# Altium PCB PCB1.PcbDoc (part 3 of 6)
Units mil, origin at the board's own origin, x right, y up, seen from the top; angles counter-clockwise.
Board outline 3937.01 x 3937.01 mil, 4 copper layers (Top Layer, GND, PWR, Bottom Layer), stack 72.967 mil thick; 11 components, 206 nets, 668 pads, 258 vias.
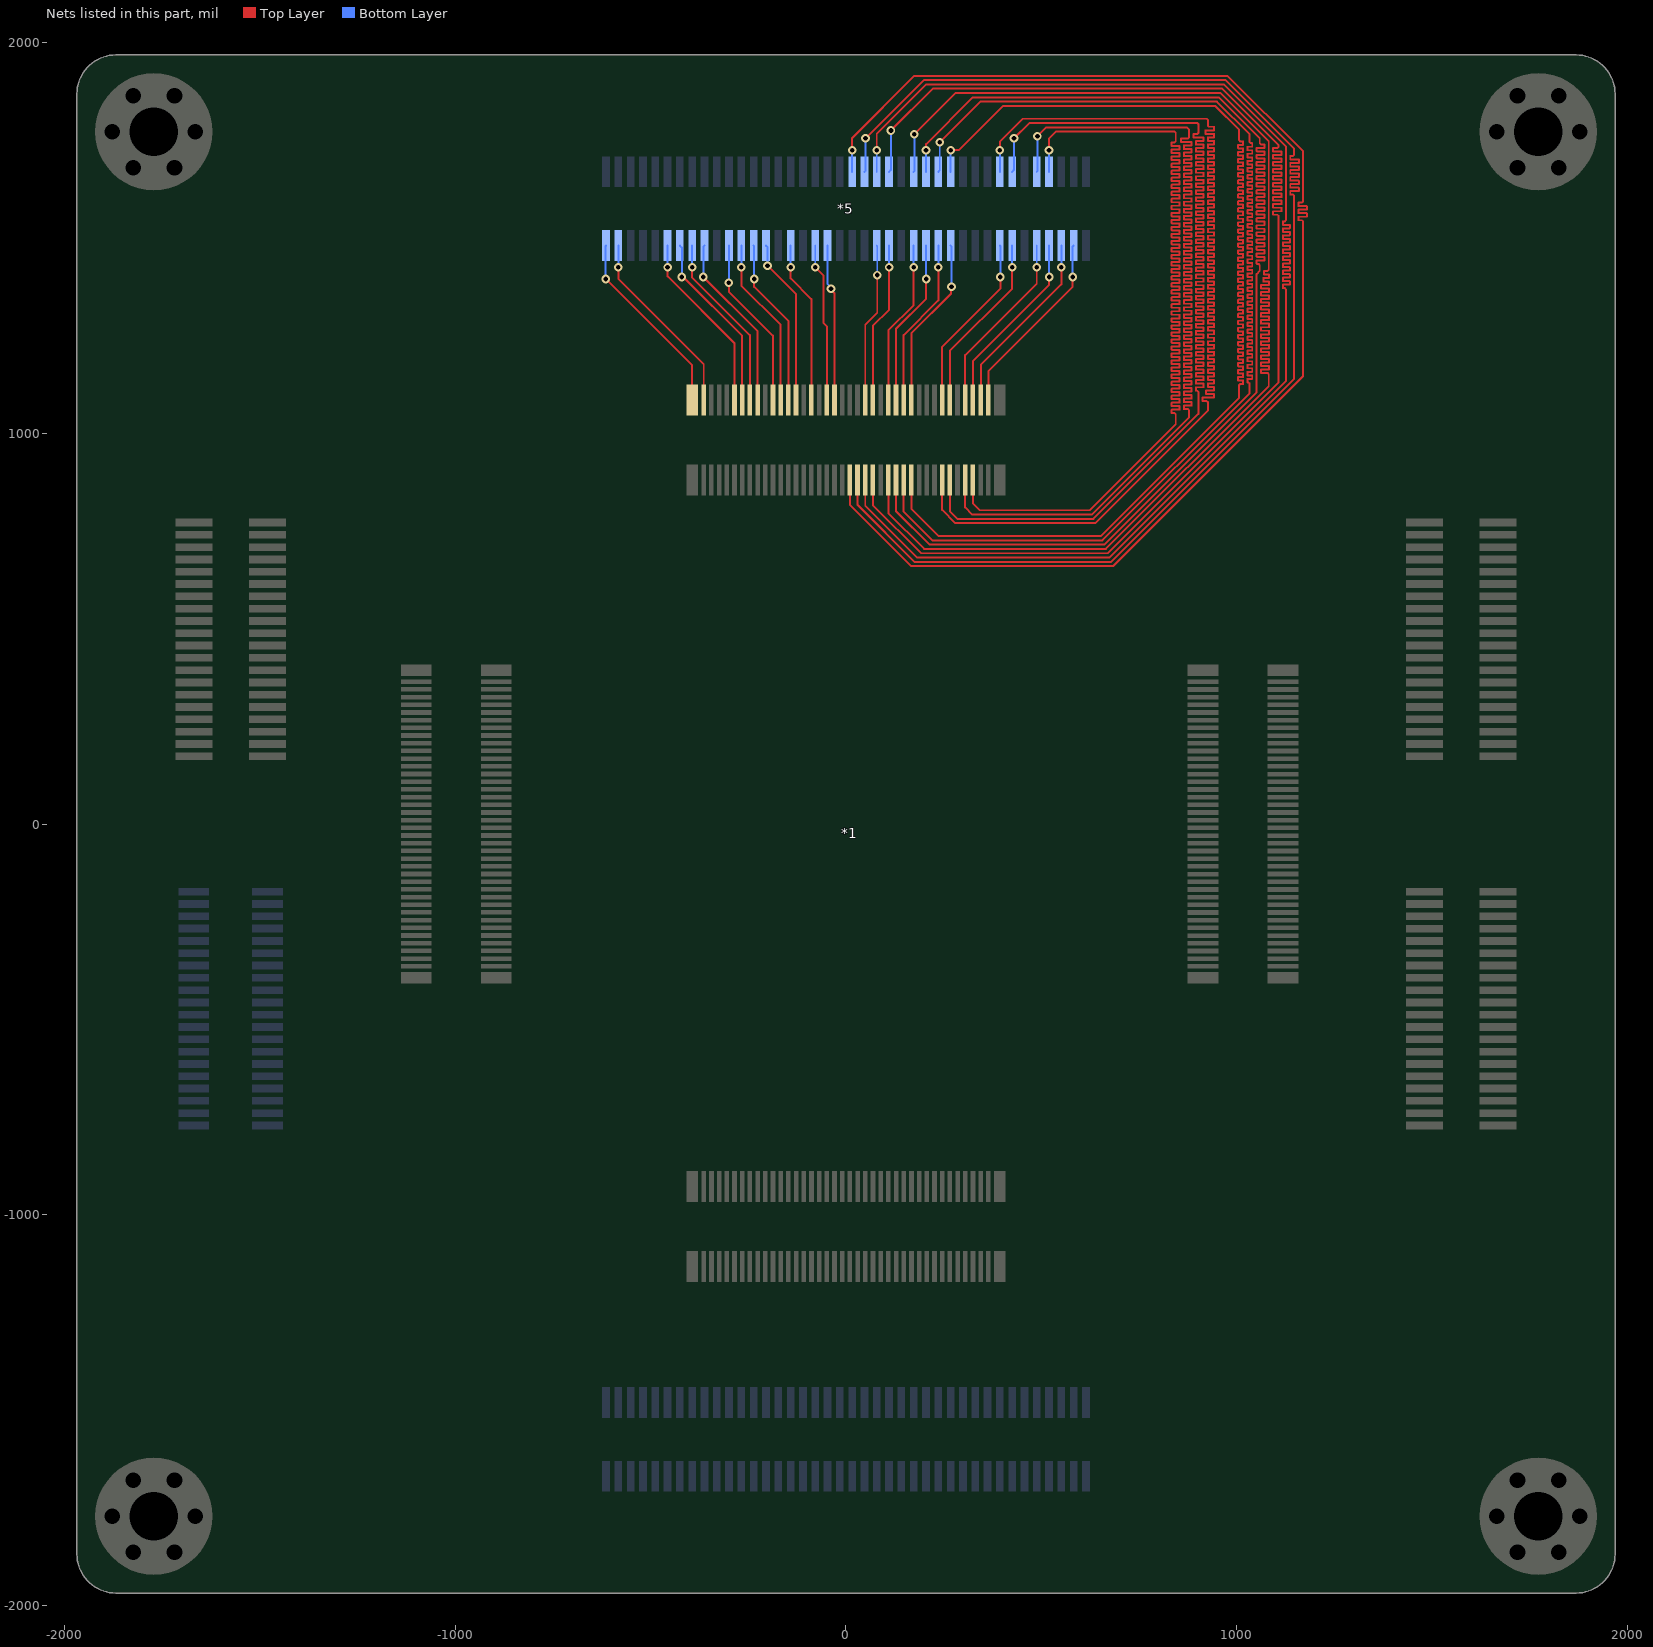
[diagram p5: the nets of this part, all layers, seen from the top]

## Via types
v1: diameter 22, hole 12, Top Layer to Bottom Layer, 254 vias
v2: diameter 24, hole 12, Top Layer to Bottom Layer, 4 vias

## Nets (pads, with @x,y where several pads share a name; then routed paths per layer and width w, separated by ;. In a path a pad name is that pad's centre, name@x,y a point inside that pad or via, vN(x,y) a via of type N, cw(c..) or ccw(c..) an arc to the next point about the centre after c; other vN are vias at no path point) (continued)
B14_L5_N: *1.131 *5.51 | length 3559.8
  Top Layer w5: *1.131@108.29,868.49 108.29,795.71 200,704 665.12,704 1082,1120.88 1082,1149 1082,1151.5 1079.07,1154.43 1062.25,1154.43 1061.8,1154.88 1061.8,1162.98 1062.25,1163.43 1082.24,1163.43 1082.69,1163.88 1082.69,1171.98 1082.24,1172.43 1062.25,1172.43 1061.8,1172.88 1061.8,1180.98 1062.25,1181.43 1082.24,1181.43 1082.69,1181.88 1082.69,1189.98 1082.24,1190.43 1062.25,1190.43 1061.8,1190.88 1061.8,1198.98 1062.25,1199.43 1082.24,1199.43 1082.69,1199.88 1082.69,1207.98 1082.24,1208.43 1062.25,1208.43 1061.8,1208.88 1061.8,1216.98 1062.25,1217.43 1082.24,1217.43 1082.69,1217.88 1082.69,1225.98 1082.24,1226.43 1062.25,1226.43 1061.8,1226.88 1061.8,1234.98 1062.25,1235.43 1082.24,1235.43 1082.69,1235.88 1082.69,1243.98 1082.24,1244.43 1062.25,1244.43 1061.8,1244.88 1061.8,1252.98 1062.25,1253.43 1082.24,1253.43 1082.69,1253.88 1082.69,1261.98 1082.24,1262.43 1062.25,1262.43 1061.8,1262.88 1061.8,1270.98 1062.25,1271.43 1082.24,1271.43 1082.69,1271.88 1082.69,1279.98 1082.24,1280.43 1062.25,1280.43 1061.8,1280.88 1061.8,1288.98 1062.25,1289.43 1082.24,1289.43 1082.69,1289.88 1082.69,1297.98 1082.24,1298.43 1062.25,1298.43 1061.8,1298.88 1061.8,1306.98 1062.25,1307.43 1082.24,1307.43 1082.69,1307.88 1082.69,1315.98 1082.24,1316.43 1062.25,1316.43 1061.8,1316.88 1061.8,1324.98 1062.25,1325.43 1082.24,1325.43 1082.69,1325.88 1082.69,1333.98 1082.24,1334.43 1062.25,1334.43 1061.8,1334.88 1061.8,1342.98 1062.25,1343.43 1082.24,1343.43 1082.69,1343.88 1082.69,1351.98 1082.24,1352.43 1062.25,1352.43 1061.8,1352.88 1061.8,1360.98 1062.25,1361.43 1082.24,1361.43 1082.69,1361.88 1082.69,1369.98 1082.24,1370.43 1062.25,1370.43 1061.8,1370.88 1061.8,1378.98 1062.25,1379.43 1082.24,1379.43 1082.69,1379.88 1082.69,1387.98 1082.24,1388.43 1068.47,1388.43 1068.02,1388.88 1068.02,1396.98 1068.47,1397.43 1082.24,1397.43 1082.69,1397.88 1082.69,1405.98 1082.24,1406.43 1070.45,1406.43 1070,1406.88 1070,1414.98 1070.45,1415.43 1079.07,1415.43 1082,1418.36 1082,1434 1082,1747.12 958.12,1871 281,1871 v1(175,1765)
  Bottom Layer w5: *5.51@173.23,1669.29 175,1671.06 v1(175,1765)
B14_L5_P: *1.133 *5.53 | length 3528.4
  Top Layer w5: *1.133@127.98,872.85 127.98,801.02 214,715 660.56,715 1050.8,1105.24 1050.8,1407.43 1059,1415.63 1059,1428.07 1059,1430.57 1056.07,1433.5 1051.25,1433.5 1050.8,1433.95 1050.8,1442.05 1051.25,1442.5 1070.55,1442.5 1071,1442.95 1071,1451.05 1070.55,1451.5 1051.25,1451.5 1050.8,1451.95 1050.8,1460.05 1051.25,1460.5 1070.55,1460.5 1071,1460.95 1071,1469.05 1070.55,1469.5 1051.25,1469.5 1050.8,1469.95 1050.8,1478.05 1051.25,1478.5 1070.55,1478.5 1071,1478.95 1071,1487.05 1070.55,1487.5 1051.25,1487.5 1050.8,1487.95 1050.8,1496.05 1051.25,1496.5 1070.55,1496.5 1071,1496.95 1071,1505.05 1070.55,1505.5 1051.25,1505.5 1050.8,1505.95 1050.8,1514.05 1051.25,1514.5 1070.55,1514.5 1071,1514.95 1071,1523.05 1070.55,1523.5 1051.25,1523.5 1050.8,1523.95 1050.8,1532.05 1051.25,1532.5 1070.55,1532.5 1071,1532.95 1071,1541.05 1070.55,1541.5 1051.25,1541.5 1050.8,1541.95 1050.8,1550.05 1051.25,1550.5 1070.55,1550.5 1071,1550.95 1071,1559.05 1070.55,1559.5 1051.25,1559.5 1050.8,1559.95 1050.8,1568.05 1051.25,1568.5 1070.55,1568.5 1071,1568.95 1071,1577.05 1070.55,1577.5 1051.25,1577.5 1050.8,1577.95 1050.8,1586.05 1051.25,1586.5 1070.55,1586.5 1071,1586.95 1071,1595.05 1070.55,1595.5 1051.25,1595.5 1050.8,1595.95 1050.8,1604.05 1051.25,1604.5 1070.55,1604.5 1071,1604.95 1071,1613.05 1070.55,1613.5 1051.25,1613.5 1050.8,1613.95 1050.8,1622.05 1051.25,1622.5 1070.55,1622.5 1071,1622.95 1071,1631.05 1070.55,1631.5 1051.25,1631.5 1050.8,1631.95 1050.8,1640.05 1051.25,1640.5 1070.55,1640.5 1071,1640.95 1071,1649.05 1070.55,1649.5 1051.25,1649.5 1050.8,1649.95 1050.8,1658.05 1051.25,1658.5 1070.55,1658.5 1071,1658.95 1071,1667.05 1070.55,1667.5 1051.25,1667.5 1050.8,1667.95 1050.8,1676.05 1051.25,1676.5 1070.55,1676.5 1071,1676.95 1071,1685.05 1070.55,1685.5 1051.25,1685.5 1050.8,1685.95 1050.8,1694.05 1051.25,1694.5 1070.55,1694.5 1071,1694.95 1071,1703.05 1070.55,1703.5 1051.25,1703.5 1050.8,1703.95 1050.8,1712.05 1051.25,1712.5 1070.55,1712.5 1071,1712.95 1071,1721.05 1070.55,1721.5 1051.25,1721.5 1050.8,1721.95 1050.8,1730.05 1051.25,1730.5 1070.55,1730.5 1071,1730.95 1071,1739.05 1070.55,1739.5 1061.93,1739.5 1059,1742.43 1059,1746 1059,1754.56 953.56,1860 325,1860 205.23,1740.23 205.23,1725.17 v1(204.72,1724.66)
  Bottom Layer w5: *5.53@204.72,1669.29 v1(204.72,1724.66)
B14_L6_N: *1.112 *5.32 | length 416.8
  Top Layer w5: v1(-141.73,1424.95) -141.73,1396.73 -88.56,1343.56 *1.112@-88.56,1085.5
  Bottom Layer w5: v1(-141.73,1424.95) *5.32@-141.73,1480.32
B14_L7_N: *1.116 *5.36 | length 407
  Top Layer w5: v1(-78.74,1424.95) -57.87,1404.08 -57.87,1282.41 -49.19,1273.73 *1.116@-49.19,1085.5
  Bottom Layer w5: v1(-78.74,1424.95) *5.36@-78.74,1480.32
B14_L7_P: *1.118 *5.38 | length 402.2
  Top Layer w5: v1(-38.37,1370) -38.37,1367.44 -29.5,1358.57 *1.118@-29.5,1085.5
  Bottom Layer w5: *5.38@-47.24,1480.32 -47.24,1381.84 -38.37,1372.97 v1(-38.37,1370)
B14_L8_N: *1.96 *5.16 | length 456
  Top Layer w5: v1(-393.7,1424.95) -393.7,1398.7 -246.03,1251.03 *1.96@-246.03,1085.5
  Bottom Layer w5: v1(-393.7,1424.95) *5.16@-393.7,1480.32
B14_L8_P: *1.98 *5.18 | length 453.4
  Top Layer w5: v1(-365,1400) -226.35,1261.35 *1.98@-226.35,1085.5
  Bottom Layer w5: v1(-365,1400) -365,1477.52 *5.18@-362.21,1480.32
B14_L9_N: *1.128 *5.48 | length 446.3
  Top Layer w5: *1.128@68.92,1051.14 68.92,1275.15 110.24,1316.47 v1(110.24,1424.95)
  Bottom Layer w5: v1(110.24,1424.95) *5.48@110.24,1480.32
B14_L9_P: *1.126 *5.46 | length 417.7
  Top Layer w5: *1.126@49.23,1075.9 49.23,1278.23 80,1309 v1(80,1405)
  Bottom Layer w5: *5.46@78.74,1480.32 80,1479.06 v1(80,1405)
B14_L10_N: *1.94 *5.14 | length 463.1
  Top Layer w5: v1(-420,1400) -416.19,1400 -265.71,1249.52 *1.94@-265.71,1085.5
  Bottom Layer w5: *5.14@-425.2,1480.32 -420,1475.12 v1(-420,1400)
B14_L10_P: *1.92 *5.12 | length 465.8
  Top Layer w5: v1(-456.69,1424.95) -456.69,1401.69 -285.4,1230.4 *1.92@-285.4,1085.5
  Bottom Layer w5: v1(-456.69,1424.95) *5.12@-456.69,1480.32
B14_L11_N: *1.121 *5.41 | length 3556.4
  Top Layer w5: *1.121@9.87,880.78 9.87,817.13 167,660 683.34,660 1170,1146.66 1170,1539.84 1170,1542.34 1167.07,1545.27 1158.45,1545.27 1158,1545.72 1158,1553.82 1158.45,1554.27 1179.17,1554.27 1179.62,1554.72 1179.62,1562.82 1179.17,1563.27 1158.45,1563.27 1158,1563.72 1158,1571.82 1158.45,1572.27 1179.17,1572.27 1179.62,1572.72 1179.62,1580.82 1179.17,1581.27 1158.45,1581.27 1158,1581.72 1158,1589.82 1158.45,1590.27 1167.07,1590.27 1170,1593.2 1170,1599 1170,1721.34 976.34,1915 175,1915 15.75,1755.75 v1(15.75,1724.66)
  Bottom Layer w5: *5.41@15.75,1669.29 v1(15.75,1724.66)
B14_L11_P: *1.123 *5.43 | length 3574.5
  Top Layer w5: *1.123@29.55,880.78 29.55,816.45 175,671 678.79,671 1147,1139.21 1147,1605.4 1147,1607.9 1144.07,1610.82 1137.45,1610.82 1137,1611.27 1137,1619.37 1137.45,1619.82 1158.55,1619.82 1159,1620.27 1159,1628.37 1158.55,1628.82 1137.45,1628.82 1137,1629.27 1137,1637.37 1137.45,1637.82 1158.55,1637.82 1159,1638.27 1159,1646.37 1158.55,1646.82 1137.45,1646.82 1137,1647.27 1137,1655.37 1137.45,1655.82 1158.55,1655.82 1159,1656.27 1159,1664.37 1158.55,1664.82 1137.45,1664.82 1137,1665.27 1137,1673.37 1137.45,1673.82 1158.55,1673.82 1159,1674.27 1159,1682.37 1158.55,1682.82 1137.45,1682.82 1137,1683.27 1137,1691.37 1137.45,1691.82 1158.55,1691.82 1159,1692.27 1159,1700.37 1158.55,1700.82 1137.45,1700.82 1137,1701.27 1137,1709.37 1137.45,1709.82 1144.07,1709.82 1147,1712.75 1147,1720 1147,1728.79 1129,1746.79 971.79,1904 199,1904 v1(50,1755)
  Bottom Layer w5: *5.43@47.24,1669.29 50,1672.05 v1(50,1755)
B14_L12_N: *1.132 *5.52 | length 432
  Top Layer w5: *1.132@108.29,1075.23 108.29,1263.33 173.23,1328.28 v1(173.23,1424.95)
  Bottom Layer w5: v1(173.23,1424.95) *5.52@173.23,1480.32
B14_L12_P: *1.134 *5.54 | length 439
  Top Layer w5: *1.134@127.97,1073.34 127.97,1267.46 205,1344.49 v1(205,1395)
  Bottom Layer w5: *5.54@204.72,1480.32 205,1480.04 v1(205,1395)
B14_L13_N: *1.136 *5.56 | length 445.2
  Top Layer w5: *1.136@147.66,1071.83 147.66,1251.52 236.22,1340.09 v1(236.22,1424.95)
  Bottom Layer w5: v1(236.22,1424.95) *5.56@236.22,1480.32
B14_L13_P: *1.138 *5.58 | length 455
  Top Layer w5: *1.138@167.35,1068.74 167.35,1255.66 268.19,1356.5 268.19,1373.19 v1(270,1375)
  Bottom Layer w5: *5.58@267.72,1480.32 270,1478.03 v1(270,1375)
B14_L14_N: *1.125 *5.45 | length 3566.5
  Top Layer w5: *1.125@49.23,872.86 49.23,814.77 182,682 674.23,682 1126,1133.77 1126,1366 1126,1368.5 1123.07,1371.43 1118.45,1371.43 1118,1371.88 1118,1379.98 1118.45,1380.43 1135.55,1380.43 1136,1380.88 1136,1388.98 1135.55,1389.43 1118.45,1389.43 1118,1389.88 1118,1397.98 1118.45,1398.43 1135.55,1398.43 1136,1398.88 1136,1406.98 1135.55,1407.43 1118.45,1407.43 1118,1407.88 1118,1415.98 1118.45,1416.43 1135.55,1416.43 1136,1416.88 1136,1424.98 1135.55,1425.43 1118.45,1425.43 1118,1425.88 1118,1433.98 1118.45,1434.43 1135.55,1434.43 1136,1434.88 1136,1442.98 1135.55,1443.43 1118.45,1443.43 1118,1443.88 1118,1451.98 1118.45,1452.43 1135.55,1452.43 1136,1452.88 1136,1460.98 1135.55,1461.43 1118.45,1461.43 1118,1461.88 1118,1469.98 1118.45,1470.43 1135.55,1470.43 1136,1470.88 1136,1478.98 1135.55,1479.43 1118.45,1479.43 1118,1479.88 1118,1487.98 1118.45,1488.43 1135.55,1488.43 1136,1488.88 1136,1496.98 1135.55,1497.43 1118.45,1497.43 1118,1497.88 1118,1505.98 1118.45,1506.43 1135.55,1506.43 1136,1506.88 1136,1514.98 1135.55,1515.43 1118.45,1515.43 1118,1515.88 1118,1523.98 1118.45,1524.43 1135.55,1524.43 1136,1524.88 1136,1532.98 1135.55,1533.43 1118.45,1533.43 1118,1533.88 1118,1541.98 1118.45,1542.43 1123.07,1542.43 1126,1545.36 1126,1553 1126,1734.23 1104,1756.23 1060,1800.23 967.23,1893 760.34,1893 205.42,1893 78.74,1766.32 v1(78.74,1724.66)
  Bottom Layer w5: *5.45@78.74,1669.29 v1(78.74,1724.66)
B14_L14_P: *1.127 *5.47 | length 3548.7
  Top Layer w5: *1.127@68.92,872.85 68.92,816.08 192,693 669.68,693 1107,1130.32 1107,1553.86 1107,1556.36 1104.07,1559.29 1093.45,1559.29 1093,1559.74 1093,1567.84 1093.45,1568.29 1114.55,1568.29 1115,1568.74 1115,1576.84 1114.55,1577.29 1093.45,1577.29 1093,1577.74 1093,1585.84 1093.45,1586.29 1114.55,1586.29 1115,1586.74 1115,1594.84 1114.55,1595.29 1093.45,1595.29 1093,1595.74 1093,1603.84 1093.45,1604.29 1114.55,1604.29 1115,1604.74 1115,1612.84 1114.55,1613.29 1093.45,1613.29 1093,1613.74 1093,1621.84 1093.45,1622.29 1114.55,1622.29 1115,1622.74 1115,1630.84 1114.55,1631.29 1093.45,1631.29 1093,1631.74 1093,1639.84 1093.45,1640.29 1114.55,1640.29 1115,1640.74 1115,1648.84 1114.55,1649.29 1093.45,1649.29 1093,1649.74 1093,1657.84 1093.45,1658.29 1114.55,1658.29 1115,1658.74 1115,1666.84 1114.55,1667.29 1093.45,1667.29 1093,1667.74 1093,1675.84 1093.45,1676.29 1114.55,1676.29 1115,1676.74 1115,1684.84 1114.55,1685.29 1093.45,1685.29 1093,1685.74 1093,1693.84 1093.45,1694.29 1114.55,1694.29 1115,1694.74 1115,1702.84 1114.55,1703.29 1093.45,1703.29 1093,1703.74 1093,1711.84 1093.45,1712.29 1114.55,1712.29 1115,1712.74 1115,1720.84 1114.55,1721.29 1093.45,1721.29 1093,1721.74 1093,1729.84 1093.45,1730.29 1104.07,1730.29 1107,1733.22 1107,1737.68 1049,1795.68 962.68,1882 755.78,1882 222,1882 v1(115,1775)
  Bottom Layer w5: *5.47@110.24,1669.29 115,1674.06 v1(115,1775)
B14_L15_N: *1.102 *5.22 | length 442
  Top Layer w5: v1(-300,1385) -300,1362.85 -186.98,1249.83 *1.102@-186.98,1085.5
  Bottom Layer w5: v1(-300,1385) -300,1479.53 *5.22@-299.21,1480.32
B14_L15_P: *1.104 *5.24 | length 436.4
  Top Layer w5: v1(-267.72,1424.95) -267.72,1377.72 -167.29,1277.29 *1.104@-167.29,1085.5
  Bottom Layer w5: v1(-267.72,1424.95) *5.24@-267.72,1480.32
B14_L16_N: *1.84 *5.4 | length 485.3
  Top Layer w5: v1(-582.68,1424.95) -582.68,1395.1 -364.13,1176.56 *1.84@-364.13,1085.5
  Bottom Layer w5: v1(-582.68,1424.95) *5.4@-582.68,1480.32
B14_L16_P: *1.82 *5.2 | length 496.3
  Top Layer w5: v1(-615,1395) -393.67,1173.67 *1.82@-393.67,1076.04
  Bottom Layer w5: v1(-615,1395) -615,1479.49 *5.2@-614.17,1480.32
B14_L17_N: *1.108 *5.28 | length 453.6
  Top Layer w5: v1(-200.86,1428.81) -127.93,1355.87 *1.108@-127.93,1058.51
  Bottom Layer w5: *5.28@-204.72,1480.32 -200.86,1476.46 v1(-200.86,1428.81)
B14_L17_P: *1.106 *5.26 | length 431.5
  Top Layer w5: v1(-235,1395) -235,1375 -147.61,1287.61 *1.106@-147.61,1085.5
  Bottom Layer w5: *5.26@-236.22,1480.32 -235,1479.1 v1(-235,1395)
B14_L18_N: *1.135 *5.55 | length 3550.4
  Top Layer w5: *1.135@147.66,872.86 147.66,799.34 221,726 656.01,726 1033,1102.99 1033,1125 1033,1127.5 1030.07,1130.43 1027.98,1130.43 1027.53,1130.88 1027.53,1138.98 1027.98,1139.43 1039.35,1139.43 1039.8,1139.88 1039.8,1147.98 1039.35,1148.43 1027.98,1148.43 1027.53,1148.88 1027.53,1156.98 1027.98,1157.43 1039.35,1157.43 1039.8,1157.88 1039.8,1165.98 1039.35,1166.43 1027.98,1166.43 1027.53,1166.88 1027.53,1174.98 1027.98,1175.43 1039.35,1175.43 1039.8,1175.88 1039.8,1183.98 1039.35,1184.43 1027.98,1184.43 1027.53,1184.88 1027.53,1192.98 1027.98,1193.43 1039.35,1193.43 1039.8,1193.88 1039.8,1201.98 1039.35,1202.43 1027.98,1202.43 1027.53,1202.88 1027.53,1210.98 1027.98,1211.43 1039.35,1211.43 1039.8,1211.88 1039.8,1219.98 1039.35,1220.43 1027.98,1220.43 1027.53,1220.88 1027.53,1228.98 1027.98,1229.43 1039.35,1229.43 1039.8,1229.88 1039.8,1237.98 1039.35,1238.43 1027.98,1238.43 1027.53,1238.88 1027.53,1246.98 1027.98,1247.43 1039.35,1247.43 1039.8,1247.88 1039.8,1255.98 1039.35,1256.43 1027.98,1256.43 1027.53,1256.88 1027.53,1264.98 1027.98,1265.43 1039.35,1265.43 1039.8,1265.88 1039.8,1273.98 1039.35,1274.43 1027.98,1274.43 1027.53,1274.88 1027.53,1282.98 1027.98,1283.43 1039.35,1283.43 1039.8,1283.88 1039.8,1291.98 1039.35,1292.43 1027.98,1292.43 1027.53,1292.88 1027.53,1300.98 1027.98,1301.43 1039.35,1301.43 1039.8,1301.88 1039.8,1309.98 1039.35,1310.43 1027.98,1310.43 1027.53,1310.88 1027.53,1318.98 1027.98,1319.43 1039.35,1319.43 1039.8,1319.88 1039.8,1327.98 1039.35,1328.43 1027.98,1328.43 1027.53,1328.88 1027.53,1336.98 1027.98,1337.43 1039.35,1337.43 1039.8,1337.88 1039.8,1345.98 1039.35,1346.43 1027.98,1346.43 1027.53,1346.88 1027.53,1354.98 1027.98,1355.43 1039.35,1355.43 1039.8,1355.88 1039.8,1363.98 1039.35,1364.43 1027.98,1364.43 1027.53,1364.88 1027.53,1372.98 1027.98,1373.43 1039.35,1373.43 1039.8,1373.88 1039.8,1381.98 1039.35,1382.43 1027.98,1382.43 1027.53,1382.88 1027.53,1390.98 1027.98,1391.43 1039.35,1391.43 1039.8,1391.88 1039.8,1399.98 1039.35,1400.43 1027.98,1400.43 1027.53,1400.88 1027.53,1408.98 1027.98,1409.43 1039.35,1409.43 1039.8,1409.88 1039.8,1417.98 1039.35,1418.43 1027.98,1418.43 1027.53,1418.88 1027.53,1426.98 1027.98,1427.43 1039.35,1427.43 1039.8,1427.88 1039.8,1435.98 1039.35,1436.43 1027.98,1436.43 1027.53,1436.88 1027.53,1444.98 1027.98,1445.43 1039.35,1445.43 1039.8,1445.88 1039.8,1453.98 1039.35,1454.43 1027.98,1454.43 1027.53,1454.88 1027.53,1462.98 1027.98,1463.43 1039.35,1463.43 1039.8,1463.88 1039.8,1471.98 1039.35,1472.43 1027.98,1472.43 1027.53,1472.88 1027.53,1480.98 1027.98,1481.43 1039.35,1481.43 1039.8,1481.88 1039.8,1489.98 1039.35,1490.43 1027.98,1490.43 1027.53,1490.88 1027.53,1498.98 1027.98,1499.43 1039.35,1499.43 1039.8,1499.88 1039.8,1507.98 1039.35,1508.43 1027.98,1508.43 1027.53,1508.88 1027.53,1516.98 1027.98,1517.43 1039.35,1517.43 1039.8,1517.88 1039.8,1525.98 1039.35,1526.43 1027.98,1526.43 1027.53,1526.88 1027.53,1534.98 1027.98,1535.43 1039.35,1535.43 1039.8,1535.88 1039.8,1543.98 1039.35,1544.43 1027.98,1544.43 1027.53,1544.88 1027.53,1552.98 1027.98,1553.43 1039.35,1553.43 1039.8,1553.88 1039.8,1561.98 1039.35,1562.43 1027.98,1562.43 1027.53,1562.88 1027.53,1570.98 1027.98,1571.43 1039.35,1571.43 1039.8,1571.88 1039.8,1579.98 1039.35,1580.43 1027.98,1580.43 1027.53,1580.88 1027.53,1588.98 1027.98,1589.43 1039.35,1589.43 1039.8,1589.88 1039.8,1597.98 1039.35,1598.43 1027.98,1598.43 1027.53,1598.88 1027.53,1606.98 1027.98,1607.43 1039.35,1607.43 1039.8,1607.88 1039.8,1615.98 1039.35,1616.43 1027.98,1616.43 1027.53,1616.88 1027.53,1624.98 1027.98,1625.43 1039.35,1625.43 1039.8,1625.88 1039.8,1633.98 1039.35,1634.43 1027.98,1634.43 1027.53,1634.88 1027.53,1642.98 1027.98,1643.43 1039.35,1643.43 1039.8,1643.88 1039.8,1651.98 1039.35,1652.43 1027.98,1652.43 1027.53,1652.88 1027.53,1660.98 1027.98,1661.43 1039.35,1661.43 1039.8,1661.88 1039.8,1669.98 1039.35,1670.43 1027.98,1670.43 1027.53,1670.88 1027.53,1678.98 1027.98,1679.43 1039.35,1679.43 1039.8,1679.88 1039.8,1687.98 1039.35,1688.43 1027.98,1688.43 1027.53,1688.88 1027.53,1696.98 1027.98,1697.43 1039.35,1697.43 1039.8,1697.88 1039.8,1705.98 1039.35,1706.43 1027.98,1706.43 1027.53,1706.88 1027.53,1714.98 1027.98,1715.43 1039.35,1715.43 1039.8,1715.88 1039.8,1723.98 1039.35,1724.43 1027.98,1724.43 1027.53,1724.88 1027.53,1732.98 1027.98,1733.43 1039.35,1733.43 1039.8,1733.88 1039.8,1741.98 1039.35,1742.43 1035.93,1742.43 1033,1745.35 1033,1756 1033,1765.01 949.01,1849 344,1849 v1(240,1745)
  Bottom Layer w5: *5.55@236.22,1669.29 240,1673.07 v1(240,1745)
B14_L18_P: *1.137 *5.57 | length 3483.9
  Top Layer w5: *1.137@167.35,872.86 167.35,806.65 237,737 651.45,737 1006,1091.55 1006,1111.66 1006,1123.16 1008.93,1126.09 1016.08,1126.09 1016.53,1126.54 1016.53,1134.64 1016.08,1135.09 1004.17,1135.09 1003.72,1135.54 1003.72,1143.64 1004.17,1144.09 1016.08,1144.09 1016.53,1144.54 1016.53,1152.64 1016.08,1153.09 1004.17,1153.09 1003.72,1153.54 1003.72,1161.64 1004.17,1162.09 1016.08,1162.09 1016.53,1162.54 1016.53,1170.64 1016.08,1171.09 1004.17,1171.09 1003.72,1171.54 1003.72,1179.64 1004.17,1180.09 1016.08,1180.09 1016.53,1180.54 1016.53,1188.64 1016.08,1189.09 1004.17,1189.09 1003.72,1189.54 1003.72,1197.64 1004.17,1198.09 1016.08,1198.09 1016.53,1198.54 1016.53,1206.64 1016.08,1207.09 1004.17,1207.09 1003.72,1207.54 1003.72,1215.64 1004.17,1216.09 1016.08,1216.09 1016.53,1216.54 1016.53,1224.64 1016.08,1225.09 1004.17,1225.09 1003.72,1225.54 1003.72,1233.64 1004.17,1234.09 1016.08,1234.09 1016.53,1234.54 1016.53,1242.64 1016.08,1243.09 1004.17,1243.09 1003.72,1243.54 1003.72,1251.64 1004.17,1252.09 1016.08,1252.09 1016.53,1252.54 1016.53,1260.64 1016.08,1261.09 1004.17,1261.09 1003.72,1261.54 1003.72,1269.64 1004.17,1270.09 1016.08,1270.09 1016.53,1270.54 1016.53,1278.64 1016.08,1279.09 1004.17,1279.09 1003.72,1279.54 1003.72,1287.64 1004.17,1288.09 1016.08,1288.09 1016.53,1288.54 1016.53,1296.64 1016.08,1297.09 1004.17,1297.09 1003.72,1297.54 1003.72,1305.64 1004.17,1306.09 1016.08,1306.09 1016.53,1306.54 1016.53,1314.64 1016.08,1315.09 1004.17,1315.09 1003.72,1315.54 1003.72,1323.64 1004.17,1324.09 1016.08,1324.09 1016.53,1324.54 1016.53,1332.64 1016.08,1333.09 1004.17,1333.09 1003.72,1333.54 1003.72,1341.64 1004.17,1342.09 1016.08,1342.09 1016.53,1342.54 1016.53,1350.64 1016.08,1351.09 1004.17,1351.09 1003.72,1351.54 1003.72,1359.64 1004.17,1360.09 1016.08,1360.09 1016.53,1360.54 1016.53,1368.64 1016.08,1369.09 1004.17,1369.09 1003.72,1369.54 1003.72,1377.64 1004.17,1378.09 1016.08,1378.09 1016.53,1378.54 1016.53,1386.64 1016.08,1387.09 1004.17,1387.09 1003.72,1387.54 1003.72,1395.64 1004.17,1396.09 1016.08,1396.09 1016.53,1396.54 1016.53,1404.64 1016.08,1405.09 1004.17,1405.09 1003.72,1405.54 1003.72,1413.64 1004.17,1414.09 1016.08,1414.09 1016.53,1414.54 1016.53,1422.64 1016.08,1423.09 1004.17,1423.09 1003.72,1423.54 1003.72,1431.64 1004.17,1432.09 1016.08,1432.09 1016.53,1432.54 1016.53,1440.64 1016.08,1441.09 1004.17,1441.09 1003.72,1441.54 1003.72,1449.64 1004.17,1450.09 1016.08,1450.09 1016.53,1450.54 1016.53,1458.64 1016.08,1459.09 1004.17,1459.09 1003.72,1459.54 1003.72,1467.64 1004.17,1468.09 1016.08,1468.09 1016.53,1468.54 1016.53,1476.64 1016.08,1477.09 1004.17,1477.09 1003.72,1477.54 1003.72,1485.64 1004.17,1486.09 1016.08,1486.09 1016.53,1486.54 1016.53,1494.64 1016.08,1495.09 1004.17,1495.09 1003.72,1495.54 1003.72,1503.64 1004.17,1504.09 1016.08,1504.09 1016.53,1504.54 1016.53,1512.64 1016.08,1513.09 1004.17,1513.09 1003.72,1513.54 1003.72,1521.64 1004.17,1522.09 1016.08,1522.09 1016.53,1522.54 1016.53,1530.64 1016.08,1531.09 1004.17,1531.09 1003.72,1531.54 1003.72,1539.64 1004.17,1540.09 1016.08,1540.09 1016.53,1540.54 1016.53,1548.64 1016.08,1549.09 1004.17,1549.09 1003.72,1549.54 1003.72,1557.64 1004.17,1558.09 1016.08,1558.09 1016.53,1558.54 1016.53,1566.64 1016.08,1567.09 1004.17,1567.09 1003.72,1567.54 1003.72,1575.64 1004.17,1576.09 1016.08,1576.09 1016.53,1576.54 1016.53,1584.64 1016.08,1585.09 1004.17,1585.09 1003.72,1585.54 1003.72,1593.64 1004.17,1594.09 1016.08,1594.09 1016.53,1594.54 1016.53,1602.64 1016.08,1603.09 1004.17,1603.09 1003.72,1603.54 1003.72,1611.64 1004.17,1612.09 1016.08,1612.09 1016.53,1612.54 1016.53,1620.64 1016.08,1621.09 1004.17,1621.09 1003.72,1621.54 1003.72,1629.64 1004.17,1630.09 1016.08,1630.09 1016.53,1630.54 1016.53,1638.64 1016.08,1639.09 1004.17,1639.09 1003.72,1639.54 1003.72,1647.64 1004.17,1648.09 1016.08,1648.09 1016.53,1648.54 1016.53,1656.64 1016.08,1657.09 1004.17,1657.09 1003.72,1657.54 1003.72,1665.64 1004.17,1666.09 1016.08,1666.09 1016.53,1666.54 1016.53,1674.64 1016.08,1675.09 1004.17,1675.09 1003.72,1675.54 1003.72,1683.64 1004.17,1684.09 1016.08,1684.09 1016.53,1684.54 1016.53,1692.64 1016.08,1693.09 1004.17,1693.09 1003.72,1693.54 1003.72,1701.64 1004.17,1702.09 1016.08,1702.09 1016.53,1702.54 1016.53,1710.64 1016.08,1711.09 1004.17,1711.09 1003.72,1711.54 1003.72,1719.64 1004.17,1720.09 1016.08,1720.09 1016.53,1720.54 1016.53,1728.64 1016.08,1729.09 1004.17,1729.09 1003.72,1729.54 1003.72,1737.64 1004.17,1738.09 1016.08,1738.09 1016.53,1738.54 1016.53,1746.64 1016.08,1747.09 1008.93,1747.09 1006,1750.02 1006,1766 1006,1776.45 944.45,1838 402.44,1838 289.11,1724.66 v1(267.72,1724.66)
  Bottom Layer w5: *5.57@267.72,1669.29 v1(267.72,1724.66)
B14_L19_N: *1.152 *5.72 | length 497.4
  Top Layer w5: *1.152@305.15,1058.75 305.15,1200.15 488.19,1383.19 v1(488.19,1424.95)
  Bottom Layer w5: v1(488.19,1424.95) *5.72@488.19,1480.32
B14_L19_P: *1.154 *5.74 | length 475.8
  Top Layer w5: *1.154@324.84,1085.5 324.84,1184.84 520,1380 v1(520,1400)
  Bottom Layer w5: *5.74@519.69,1480.32 520,1480 v1(520,1400)
B14_L20_N: *1.146 *5.66 | length 466.9
  Top Layer w5: *1.146@246.09,1075.63 246.09,1221.09 395,1370 v1(395,1400)
  Bottom Layer w5: *5.66@393.7,1480.32 395,1479.02 v1(395,1400)
B14_L20_P: *1.148 *5.68 | length 487.4
  Top Layer w5: *1.148@265.78,1058.98 265.78,1210.78 425.2,1370.2 v1(425.2,1424.95)
  Bottom Layer w5: v1(425.2,1424.95) *5.68@425.2,1480.32
B14_L21_N: *1.145 *5.65 | length 3511.3
  Top Layer w5: *1.145@246.1,872.85 246.1,804.05 280.15,770 637.78,770 926,1058.22 926,1077.11 926,1079.61 923.07,1082.54 913.45,1082.54 913,1082.99 913,1091.09 913.45,1091.54 941.55,1091.54 942,1091.99 942,1100.09 941.55,1100.54 922.19,1100.54 921.74,1100.99 921.74,1109.09 922.19,1109.54 941.55,1109.54 942,1109.99 942,1118.09 941.55,1118.54 926.45,1118.54 926,1118.99 926,1127.09 926.45,1127.54 941.55,1127.54 942,1127.99 942,1136.09 941.55,1136.54 926.45,1136.54 926,1136.99 926,1145.09 926.45,1145.54 941.55,1145.54 942,1145.99 942,1154.09 941.55,1154.54 926.45,1154.54 926,1154.99 926,1163.09 926.45,1163.54 941.55,1163.54 942,1163.99 942,1172.09 941.55,1172.54 926.45,1172.54 926,1172.99 926,1181.09 926.45,1181.54 941.55,1181.54 942,1181.99 942,1190.09 941.55,1190.54 926.45,1190.54 926,1190.99 926,1199.09 926.45,1199.54 941.55,1199.54 942,1199.99 942,1208.09 941.55,1208.54 926.45,1208.54 926,1208.99 926,1217.09 926.45,1217.54 941.55,1217.54 942,1217.99 942,1226.09 941.55,1226.54 926.45,1226.54 926,1226.99 926,1235.09 926.45,1235.54 941.55,1235.54 942,1235.99 942,1244.09 941.55,1244.54 926.45,1244.54 926,1244.99 926,1253.09 926.45,1253.54 941.55,1253.54 942,1253.99 942,1262.09 941.55,1262.54 926.45,1262.54 926,1262.99 926,1271.09 926.45,1271.54 941.55,1271.54 942,1271.99 942,1280.09 941.55,1280.54 926.45,1280.54 926,1280.99 926,1289.09 926.45,1289.54 941.55,1289.54 942,1289.99 942,1298.09 941.55,1298.54 926.45,1298.54 926,1298.99 926,1307.09 926.45,1307.54 941.55,1307.54 942,1307.99 942,1316.09 941.55,1316.54 926.45,1316.54 926,1316.99 926,1325.09 926.45,1325.54 941.55,1325.54 942,1325.99 942,1334.09 941.55,1334.54 926.45,1334.54 926,1334.99 926,1343.09 926.45,1343.54 941.55,1343.54 942,1343.99 942,1352.09 941.55,1352.54 926.45,1352.54 926,1352.99 926,1361.09 926.45,1361.54 941.55,1361.54 942,1361.99 942,1370.09 941.55,1370.54 926.45,1370.54 926,1370.99 926,1379.09 926.45,1379.54 941.55,1379.54 942,1379.99 942,1388.09 941.55,1388.54 926.45,1388.54 926,1388.99 926,1397.09 926.45,1397.54 941.55,1397.54 942,1397.99 942,1406.09 941.55,1406.54 926.45,1406.54 926,1406.99 926,1415.09 926.45,1415.54 941.55,1415.54 942,1415.99 942,1424.09 941.55,1424.54 926.45,1424.54 926,1424.99 926,1433.09 926.45,1433.54 941.55,1433.54 942,1433.99 942,1442.09 941.55,1442.54 926.45,1442.54 926,1442.99 926,1451.09 926.45,1451.54 941.55,1451.54 942,1451.99 942,1460.09 941.55,1460.54 926.45,1460.54 926,1460.99 926,1469.09 926.45,1469.54 941.55,1469.54 942,1469.99 942,1478.09 941.55,1478.54 926.45,1478.54 926,1478.99 926,1487.09 926.45,1487.54 941.55,1487.54 942,1487.99 942,1496.09 941.55,1496.54 926.45,1496.54 926,1496.99 926,1505.09 926.45,1505.54 941.55,1505.54 942,1505.99 942,1514.09 941.55,1514.54 926.45,1514.54 926,1514.99 926,1523.09 926.45,1523.54 941.55,1523.54 942,1523.99 942,1532.09 941.55,1532.54 926.45,1532.54 926,1532.99 926,1541.09 926.45,1541.54 941.55,1541.54 942,1541.99 942,1550.09 941.55,1550.54 926.45,1550.54 926,1550.99 926,1559.09 926.45,1559.54 941.55,1559.54 942,1559.99 942,1568.09 941.55,1568.54 926.45,1568.54 926,1568.99 926,1577.09 926.45,1577.54 941.55,1577.54 942,1577.99 942,1586.09 941.55,1586.54 926.45,1586.54 926,1586.99 926,1595.09 926.45,1595.54 941.55,1595.54 942,1595.99 942,1604.09 941.55,1604.54 926.45,1604.54 926,1604.99 926,1613.09 926.45,1613.54 941.55,1613.54 942,1613.99 942,1622.09 941.55,1622.54 926.45,1622.54 926,1622.99 926,1631.09 926.45,1631.54 941.55,1631.54 942,1631.99 942,1640.09 941.55,1640.54 926.45,1640.54 926,1640.99 926,1649.09 926.45,1649.54 941.55,1649.54 942,1649.99 942,1658.09 941.55,1658.54 926.45,1658.54 926,1658.99 926,1667.09 926.45,1667.54 941.55,1667.54 942,1667.99 942,1676.09 941.55,1676.54 926.45,1676.54 926,1676.99 926,1685.09 926.45,1685.54 941.55,1685.54 942,1685.99 942,1694.09 941.55,1694.54 926.45,1694.54 926,1694.99 926,1703.09 926.45,1703.54 941.55,1703.54 942,1703.99 942,1712.09 941.55,1712.54 926.45,1712.54 926,1712.99 926,1721.09 926.45,1721.54 941.55,1721.54 942,1721.99 942,1730.09 941.55,1730.54 926.45,1730.54 926,1730.99 926,1739.09 926.45,1739.54 941.55,1739.54 942,1739.99 942,1748.09 941.55,1748.54 926.45,1748.54 926,1748.99 926,1757.09 926.45,1757.54 941.55,1757.54 942,1757.99 942,1766.09 941.55,1766.54 920.23,1766.54 919.78,1766.99 919.78,1775.09 920.23,1775.54 941.55,1775.54 942,1775.99 942,1784.09 941.55,1784.54 928.93,1784.54 926,1787.47 926,1793 926,1802.07 923.07,1805 717.23,1805 452.42,1805 393.7,1746.28 v1(393.7,1724.66)
  Bottom Layer w5: *5.65@393.7,1669.29 v1(393.7,1724.66)
B14_L21_P: *1.147 *5.67 | length 3548.2
  Top Layer w5: *1.147@265.78,872.86 265.78,799.93 284.7,781 633.23,781 902,1049.77 902,1103.43 902,1105.93 899.07,1108.86 895.76,1108.86 895.31,1109.31 895.31,1117.41 895.76,1117.86 914.55,1117.86 915,1118.31 915,1126.41 914.55,1126.86 895.76,1126.86 895.31,1127.31 895.31,1135.41 895.76,1135.86 914.55,1135.86 915,1136.31 915,1144.41 914.55,1144.86 895.76,1144.86 895.31,1145.31 895.31,1153.41 895.76,1153.86 914.55,1153.86 915,1154.31 915,1162.41 914.55,1162.86 895.76,1162.86 895.31,1163.31 895.31,1171.41 895.76,1171.86 914.55,1171.86 915,1172.31 915,1180.41 914.55,1180.86 895.76,1180.86 895.31,1181.31 895.31,1189.41 895.76,1189.86 914.55,1189.86 915,1190.31 915,1198.41 914.55,1198.86 895.76,1198.86 895.31,1199.31 895.31,1207.41 895.76,1207.86 914.55,1207.86 915,1208.31 915,1216.41 914.55,1216.86 895.76,1216.86 895.31,1217.31 895.31,1225.41 895.76,1225.86 914.55,1225.86 915,1226.31 915,1234.41 914.55,1234.86 895.76,1234.86 895.31,1235.31 895.31,1243.41 895.76,1243.86 914.55,1243.86 915,1244.31 915,1252.41 914.55,1252.86 895.76,1252.86 895.31,1253.31 895.31,1261.41 895.76,1261.86 914.55,1261.86 915,1262.31 915,1270.41 914.55,1270.86 895.76,1270.86 895.31,1271.31 895.31,1279.41 895.76,1279.86 914.55,1279.86 915,1280.31 915,1288.41 914.55,1288.86 895.76,1288.86 895.31,1289.31 895.31,1297.41 895.76,1297.86 914.55,1297.86 915,1298.31 915,1306.41 914.55,1306.86 895.76,1306.86 895.31,1307.31 895.31,1315.41 895.76,1315.86 914.55,1315.86 915,1316.31 915,1324.41 914.55,1324.86 895.76,1324.86 895.31,1325.31 895.31,1333.41 895.76,1333.86 914.55,1333.86 915,1334.31 915,1342.41 914.55,1342.86 895.76,1342.86 895.31,1343.31 895.31,1351.41 895.76,1351.86 914.55,1351.86 915,1352.31 915,1360.41 914.55,1360.86 895.76,1360.86 895.31,1361.31 895.31,1369.41 895.76,1369.86 914.55,1369.86 915,1370.31 915,1378.41 914.55,1378.86 895.76,1378.86 895.31,1379.31 895.31,1387.41 895.76,1387.86 914.55,1387.86 915,1388.31 915,1396.41 914.55,1396.86 895.76,1396.86 895.31,1397.31 895.31,1405.41 895.76,1405.86 914.55,1405.86 915,1406.31 915,1414.41 914.55,1414.86 895.76,1414.86 895.31,1415.31 895.31,1423.41 895.76,1423.86 914.55,1423.86 915,1424.31 915,1432.41 914.55,1432.86 895.76,1432.86 895.31,1433.31 895.31,1441.41 895.76,1441.86 914.55,1441.86 915,1442.31 915,1450.41 914.55,1450.86 895.76,1450.86 895.31,1451.31 895.31,1459.41 895.76,1459.86 914.55,1459.86 915,1460.31 915,1468.41 914.55,1468.86 895.76,1468.86 895.31,1469.31 895.31,1477.41 895.76,1477.86 914.55,1477.86 915,1478.31 915,1486.41 914.55,1486.86 895.76,1486.86 895.31,1487.31 895.31,1495.41 895.76,1495.86 914.55,1495.86 915,1496.31 915,1504.41 914.55,1504.86 895.76,1504.86 895.31,1505.31 895.31,1513.41 895.76,1513.86 914.55,1513.86 915,1514.31 915,1522.41 914.55,1522.86 895.76,1522.86 895.31,1523.31 895.31,1531.41 895.76,1531.86 914.55,1531.86 915,1532.31 915,1540.41 914.55,1540.86 895.76,1540.86 895.31,1541.31 895.31,1549.41 895.76,1549.86 914.55,1549.86 915,1550.31 915,1558.41 914.55,1558.86 895.76,1558.86 895.31,1559.31 895.31,1567.41 895.76,1567.86 914.55,1567.86 915,1568.31 915,1576.41 914.55,1576.86 895.76,1576.86 895.31,1577.31 895.31,1585.41 895.76,1585.86 914.55,1585.86 915,1586.31 915,1594.41 914.55,1594.86 895.76,1594.86 895.31,1595.31 895.31,1603.41 895.76,1603.86 914.55,1603.86 915,1604.31 915,1612.41 914.55,1612.86 895.76,1612.86 895.31,1613.31 895.31,1621.41 895.76,1621.86 914.55,1621.86 915,1622.31 915,1630.41 914.55,1630.86 895.76,1630.86 895.31,1631.31 895.31,1639.41 895.76,1639.86 914.55,1639.86 915,1640.31 915,1648.41 914.55,1648.86 895.76,1648.86 895.31,1649.31 895.31,1657.41 895.76,1657.86 914.55,1657.86 915,1658.31 915,1666.41 914.55,1666.86 895.76,1666.86 895.31,1667.31 895.31,1675.41 895.76,1675.86 914.55,1675.86 915,1676.31 915,1684.41 914.55,1684.86 895.76,1684.86 895.31,1685.31 895.31,1693.41 895.76,1693.86 914.55,1693.86 915,1694.31 915,1702.41 914.55,1702.86 895.76,1702.86 895.31,1703.31 895.31,1711.41 895.76,1711.86 914.55,1711.86 915,1712.31 915,1720.41 914.55,1720.86 895.76,1720.86 895.31,1721.31 895.31,1729.41 895.76,1729.86 914.55,1729.86 915,1730.31 915,1738.41 914.55,1738.86 895.76,1738.86 895.31,1739.31 895.31,1747.41 895.76,1747.86 914.55,1747.86 915,1748.31 915,1756.41 914.55,1756.86 889.45,1756.86 889,1757.31 889,1765.41 889.45,1765.86 899.07,1765.86 902,1768.79 902,1779 902,1791.07 899.07,1794 712.67,1794 469,1794 v1(430,1755)
  Bottom Layer w5: *5.67@425.2,1669.29 430,1674.09 v1(430,1755)
B14_L22_N: *1.153 *5.73 | length 3324.5
  Top Layer w5: *1.153@324.84,872.86 324.84,821 342.84,803 624.11,803 844,1022.89 844,1045.94 844,1048.44 841.07,1051.37 834.13,1051.37 833.68,1051.82 833.68,1059.92 834.13,1060.37 853.15,1060.37 853.6,1060.82 853.6,1068.92 853.15,1069.37 834.13,1069.37 833.68,1069.82 833.68,1077.92 834.13,1078.37 853.15,1078.37 853.6,1078.82 853.6,1086.92 853.15,1087.37 834.13,1087.37 833.68,1087.82 833.68,1095.92 834.13,1096.37 853.15,1096.37 853.6,1096.82 853.6,1104.92 853.15,1105.37 834.13,1105.37 833.68,1105.82 833.68,1113.92 834.13,1114.37 853.15,1114.37 853.6,1114.82 853.6,1122.92 853.15,1123.37 834.13,1123.37 833.68,1123.82 833.68,1131.92 834.13,1132.37 853.15,1132.37 853.6,1132.82 853.6,1140.92 853.15,1141.37 834.13,1141.37 833.68,1141.82 833.68,1149.92 834.13,1150.37 853.15,1150.37 853.6,1150.82 853.6,1158.92 853.15,1159.37 834.13,1159.37 833.68,1159.82 833.68,1167.92 834.13,1168.37 853.15,1168.37 853.6,1168.82 853.6,1176.92 853.15,1177.37 834.13,1177.37 833.68,1177.82 833.68,1185.92 834.13,1186.37 853.15,1186.37 853.6,1186.82 853.6,1194.92 853.15,1195.37 834.13,1195.37 833.68,1195.82 833.68,1203.92 834.13,1204.37 853.15,1204.37 853.6,1204.82 853.6,1212.92 853.15,1213.37 834.13,1213.37 833.68,1213.82 833.68,1221.92 834.13,1222.37 853.15,1222.37 853.6,1222.82 853.6,1230.92 853.15,1231.37 834.13,1231.37 833.68,1231.82 833.68,1239.92 834.13,1240.37 853.15,1240.37 853.6,1240.82 853.6,1248.92 853.15,1249.37 834.13,1249.37 833.68,1249.82 833.68,1257.92 834.13,1258.37 853.15,1258.37 853.6,1258.82 853.6,1266.92 853.15,1267.37 834.13,1267.37 833.68,1267.82 833.68,1275.92 834.13,1276.37 853.15,1276.37 853.6,1276.82 853.6,1284.92 853.15,1285.37 834.13,1285.37 833.68,1285.82 833.68,1293.92 834.13,1294.37 853.15,1294.37 853.6,1294.82 853.6,1302.92 853.15,1303.37 834.13,1303.37 833.68,1303.82 833.68,1311.92 834.13,1312.37 853.15,1312.37 853.6,1312.82 853.6,1320.92 853.15,1321.37 834.13,1321.37 833.68,1321.82 833.68,1329.92 834.13,1330.37 853.15,1330.37 853.6,1330.82 853.6,1338.92 853.15,1339.37 834.13,1339.37 833.68,1339.82 833.68,1347.92 834.13,1348.37 853.15,1348.37 853.6,1348.82 853.6,1356.92 853.15,1357.37 834.13,1357.37 833.68,1357.82 833.68,1365.92 834.13,1366.37 853.15,1366.37 853.6,1366.82 853.6,1374.92 853.15,1375.37 834.13,1375.37 833.68,1375.82 833.68,1383.92 834.13,1384.37 853.15,1384.37 853.6,1384.82 853.6,1392.92 853.15,1393.37 834.13,1393.37 833.68,1393.82 833.68,1401.92 834.13,1402.37 853.15,1402.37 853.6,1402.82 853.6,1410.92 853.15,1411.37 834.13,1411.37 833.68,1411.82 833.68,1419.92 834.13,1420.37 853.15,1420.37 853.6,1420.82 853.6,1428.92 853.15,1429.37 834.13,1429.37 833.68,1429.82 833.68,1437.92 834.13,1438.37 853.15,1438.37 853.6,1438.82 853.6,1446.92 853.15,1447.37 834.13,1447.37 833.68,1447.82 833.68,1455.92 834.13,1456.37 853.15,1456.37 853.6,1456.82 853.6,1464.92 853.15,1465.37 834.13,1465.37 833.68,1465.82 833.68,1473.92 834.13,1474.37 853.15,1474.37 853.6,1474.82 853.6,1482.92 853.15,1483.37 834.13,1483.37 833.68,1483.82 833.68,1491.92 834.13,1492.37 853.15,1492.37 853.6,1492.82 853.6,1500.92 853.15,1501.37 834.13,1501.37 833.68,1501.82 833.68,1509.92 834.13,1510.37 853.15,1510.37 853.6,1510.82 853.6,1518.92 853.15,1519.37 834.13,1519.37 833.68,1519.82 833.68,1527.92 834.13,1528.37 853.15,1528.37 853.6,1528.82 853.6,1536.92 853.15,1537.37 834.13,1537.37 833.68,1537.82 833.68,1545.92 834.13,1546.37 853.15,1546.37 853.6,1546.82 853.6,1554.92 853.15,1555.37 834.13,1555.37 833.68,1555.82 833.68,1563.92 834.13,1564.37 853.15,1564.37 853.6,1564.82 853.6,1572.92 853.15,1573.37 834.13,1573.37 833.68,1573.82 833.68,1581.92 834.13,1582.37 853.15,1582.37 853.6,1582.82 853.6,1590.92 853.15,1591.37 834.13,1591.37 833.68,1591.82 833.68,1599.92 834.13,1600.37 853.15,1600.37 853.6,1600.82 853.6,1608.92 853.15,1609.37 834.13,1609.37 833.68,1609.82 833.68,1617.92 834.13,1618.37 853.15,1618.37 853.6,1618.82 853.6,1626.92 853.15,1627.37 834.13,1627.37 833.68,1627.82 833.68,1635.92 834.13,1636.37 853.15,1636.37 853.6,1636.82 853.6,1644.92 853.15,1645.37 834.13,1645.37 833.68,1645.82 833.68,1653.92 834.13,1654.37 853.15,1654.37 853.6,1654.82 853.6,1662.92 853.15,1663.37 834.13,1663.37 833.68,1663.82 833.68,1671.92 834.13,1672.37 853.15,1672.37 853.6,1672.82 853.6,1680.92 853.15,1681.37 834.13,1681.37 833.68,1681.82 833.68,1689.92 834.13,1690.37 853.15,1690.37 853.6,1690.82 853.6,1698.92 853.15,1699.37 834.13,1699.37 833.68,1699.82 833.68,1707.92 834.13,1708.37 853.15,1708.37 853.6,1708.82 853.6,1716.92 853.15,1717.37 834.13,1717.37 833.68,1717.82 833.68,1725.92 834.13,1726.37 853.15,1726.37 853.6,1726.82 853.6,1734.92 853.15,1735.37 834.13,1735.37 833.68,1735.82 833.68,1743.92 834.13,1744.37 841.07,1744.37 844,1747.3 844,1758 844,1769.07 841.07,1772 537,1772 519.69,1754.69 v1(519.69,1724.66)
  Bottom Layer w5: *5.73@519.69,1669.29 v1(519.69,1724.66)
B14_L22_P: *1.151 *5.71 | length 3501.2
  Top Layer w5: *1.151@305.15,904.68 305.15,810.22 323.37,792 628.67,792 878,1041.33 878,1056.17 878,1058.67 875.07,1061.59 865.05,1061.59 864.6,1062.05 864.6,1070.14 865.05,1070.59 883.86,1070.59 884.31,1071.05 884.31,1079.14 883.86,1079.59 865.05,1079.59 864.6,1080.05 864.6,1088.14 865.05,1088.59 883.86,1088.59 884.31,1089.05 884.31,1097.14 883.86,1097.59 865.05,1097.59 864.6,1098.05 864.6,1106.14 865.05,1106.59 883.86,1106.59 884.31,1107.05 884.31,1115.14 883.86,1115.59 865.05,1115.59 864.6,1116.05 864.6,1124.14 865.05,1124.59 883.86,1124.59 884.31,1125.05 884.31,1133.14 883.86,1133.59 865.05,1133.59 864.6,1134.05 864.6,1142.14 865.05,1142.59 883.86,1142.59 884.31,1143.05 884.31,1151.14 883.86,1151.59 865.05,1151.59 864.6,1152.05 864.6,1160.14 865.05,1160.59 883.86,1160.59 884.31,1161.05 884.31,1169.14 883.86,1169.59 865.05,1169.59 864.6,1170.05 864.6,1178.14 865.05,1178.59 883.86,1178.59 884.31,1179.05 884.31,1187.14 883.86,1187.59 865.05,1187.59 864.6,1188.05 864.6,1196.14 865.05,1196.59 883.86,1196.59 884.31,1197.05 884.31,1205.14 883.86,1205.59 865.05,1205.59 864.6,1206.05 864.6,1214.14 865.05,1214.59 883.86,1214.59 884.31,1215.05 884.31,1223.14 883.86,1223.59 865.05,1223.59 864.6,1224.05 864.6,1232.14 865.05,1232.59 883.86,1232.59 884.31,1233.05 884.31,1241.14 883.86,1241.59 865.05,1241.59 864.6,1242.05 864.6,1250.14 865.05,1250.59 883.86,1250.59 884.31,1251.05 884.31,1259.14 883.86,1259.59 865.05,1259.59 864.6,1260.05 864.6,1268.14 865.05,1268.59 883.86,1268.59 884.31,1269.05 884.31,1277.14 883.86,1277.59 865.05,1277.59 864.6,1278.05 864.6,1286.14 865.05,1286.59 883.86,1286.59 884.31,1287.05 884.31,1295.14 883.86,1295.59 865.05,1295.59 864.6,1296.05 864.6,1304.14 865.05,1304.59 883.86,1304.59 884.31,1305.05 884.31,1313.14 883.86,1313.59 865.05,1313.59 864.6,1314.05 864.6,1322.14 865.05,1322.59 883.86,1322.59 884.31,1323.05 884.31,1331.14 883.86,1331.59 865.05,1331.59 864.6,1332.05 864.6,1340.14 865.05,1340.59 883.86,1340.59 884.31,1341.05 884.31,1349.14 883.86,1349.59 865.05,1349.59 864.6,1350.05 864.6,1358.14 865.05,1358.59 883.86,1358.59 884.31,1359.05 884.31,1367.14 883.86,1367.59 865.05,1367.59 864.6,1368.05 864.6,1376.14 865.05,1376.59 883.86,1376.59 884.31,1377.05 884.31,1385.14 883.86,1385.59 865.05,1385.59 864.6,1386.05 864.6,1394.14 865.05,1394.59 883.86,1394.59 884.31,1395.05 884.31,1403.14 883.86,1403.59 865.05,1403.59 864.6,1404.05 864.6,1412.14 865.05,1412.59 883.86,1412.59 884.31,1413.05 884.31,1421.14 883.86,1421.59 865.05,1421.59 864.6,1422.05 864.6,1430.14 865.05,1430.59 883.86,1430.59 884.31,1431.05 884.31,1439.14 883.86,1439.59 865.05,1439.59 864.6,1440.05 864.6,1448.14 865.05,1448.59 883.86,1448.59 884.31,1449.05 884.31,1457.14 883.86,1457.59 865.05,1457.59 864.6,1458.05 864.6,1466.14 865.05,1466.59 883.86,1466.59 884.31,1467.05 884.31,1475.14 883.86,1475.59 865.05,1475.59 864.6,1476.05 864.6,1484.14 865.05,1484.59 883.86,1484.59 884.31,1485.05 884.31,1493.14 883.86,1493.59 865.05,1493.59 864.6,1494.05 864.6,1502.14 865.05,1502.59 883.86,1502.59 884.31,1503.05 884.31,1511.14 883.86,1511.59 865.05,1511.59 864.6,1512.05 864.6,1520.14 865.05,1520.59 883.86,1520.59 884.31,1521.05 884.31,1529.14 883.86,1529.59 865.05,1529.59 864.6,1530.05 864.6,1538.14 865.05,1538.59 883.86,1538.59 884.31,1539.05 884.31,1547.14 883.86,1547.59 865.05,1547.59 864.6,1548.05 864.6,1556.15 865.05,1556.6 883.86,1556.6 884.31,1557.05 884.31,1565.15 883.86,1565.6 865.05,1565.6 864.6,1566.05 864.6,1574.15 865.05,1574.6 883.86,1574.6 884.31,1575.05 884.31,1583.15 883.86,1583.6 865.05,1583.6 864.6,1584.05 864.6,1592.15 865.05,1592.6 883.86,1592.6 884.31,1593.05 884.31,1601.15 883.86,1601.6 865.05,1601.6 864.6,1602.05 864.6,1610.15 865.05,1610.6 883.86,1610.6 884.31,1611.05 884.31,1619.15 883.86,1619.6 865.05,1619.6 864.6,1620.05 864.6,1628.15 865.05,1628.6 883.86,1628.6 884.31,1629.05 884.31,1637.15 883.86,1637.6 865.05,1637.6 864.6,1638.05 864.6,1646.15 865.05,1646.6 883.86,1646.6 884.31,1647.05 884.31,1655.15 883.86,1655.6 865.05,1655.6 864.6,1656.05 864.6,1664.15 865.05,1664.6 883.86,1664.6 884.31,1665.05 884.31,1673.15 883.86,1673.6 865.05,1673.6 864.6,1674.05 864.6,1682.15 865.05,1682.6 883.86,1682.6 884.31,1683.05 884.31,1691.15 883.86,1691.6 865.05,1691.6 864.6,1692.05 864.6,1700.15 865.05,1700.6 883.86,1700.6 884.31,1701.05 884.31,1709.15 883.86,1709.6 865.05,1709.6 864.6,1710.05 864.6,1718.15 865.05,1718.6 883.86,1718.6 884.31,1719.05 884.31,1727.15 883.86,1727.6 865.05,1727.6 864.6,1728.05 864.6,1736.15 865.05,1736.6 883.86,1736.6 884.31,1737.05 884.31,1745.15 883.86,1745.6 857.66,1745.6 857.21,1746.05 857.21,1754.15 857.66,1754.6 875.07,1754.6 878,1757.52 878,1769 878,1777.14 872.14,1783 513,1783 v1(490,1760)
  Bottom Layer w5: *5.71@488.19,1669.29 490,1671.1 v1(490,1760)
B14_L23_N: *1.158 *5.78 | length 485.3
  Top Layer w5: *1.158@364.21,1085.5 364.21,1159.21 580,1375 v1(580,1400)
  Bottom Layer w5: v1(580,1400) 580,1477.64 *5.78@582.68,1480.32
B14_L23_P: *1.156 *5.76 | length 469.6
  Top Layer w5: *1.156@344.34,1096.34 345,1097 345,1175 551.18,1381.18 v1(551.18,1424.95)
  Bottom Layer w5: v1(551.18,1424.95) *5.76@551.18,1480.32